# Altium PCB Control Logic.PcbDoc
Units mil, origin at the board's own origin, x right, y up, seen from the top; angles counter-clockwise.
Board outline 10300 x 6600 mil, 2 copper layers (Top Layer, Bottom Layer); 213 components, 274 nets, 987 pads, 0 vias.
Unrouted connection lines stored in the file: 423.
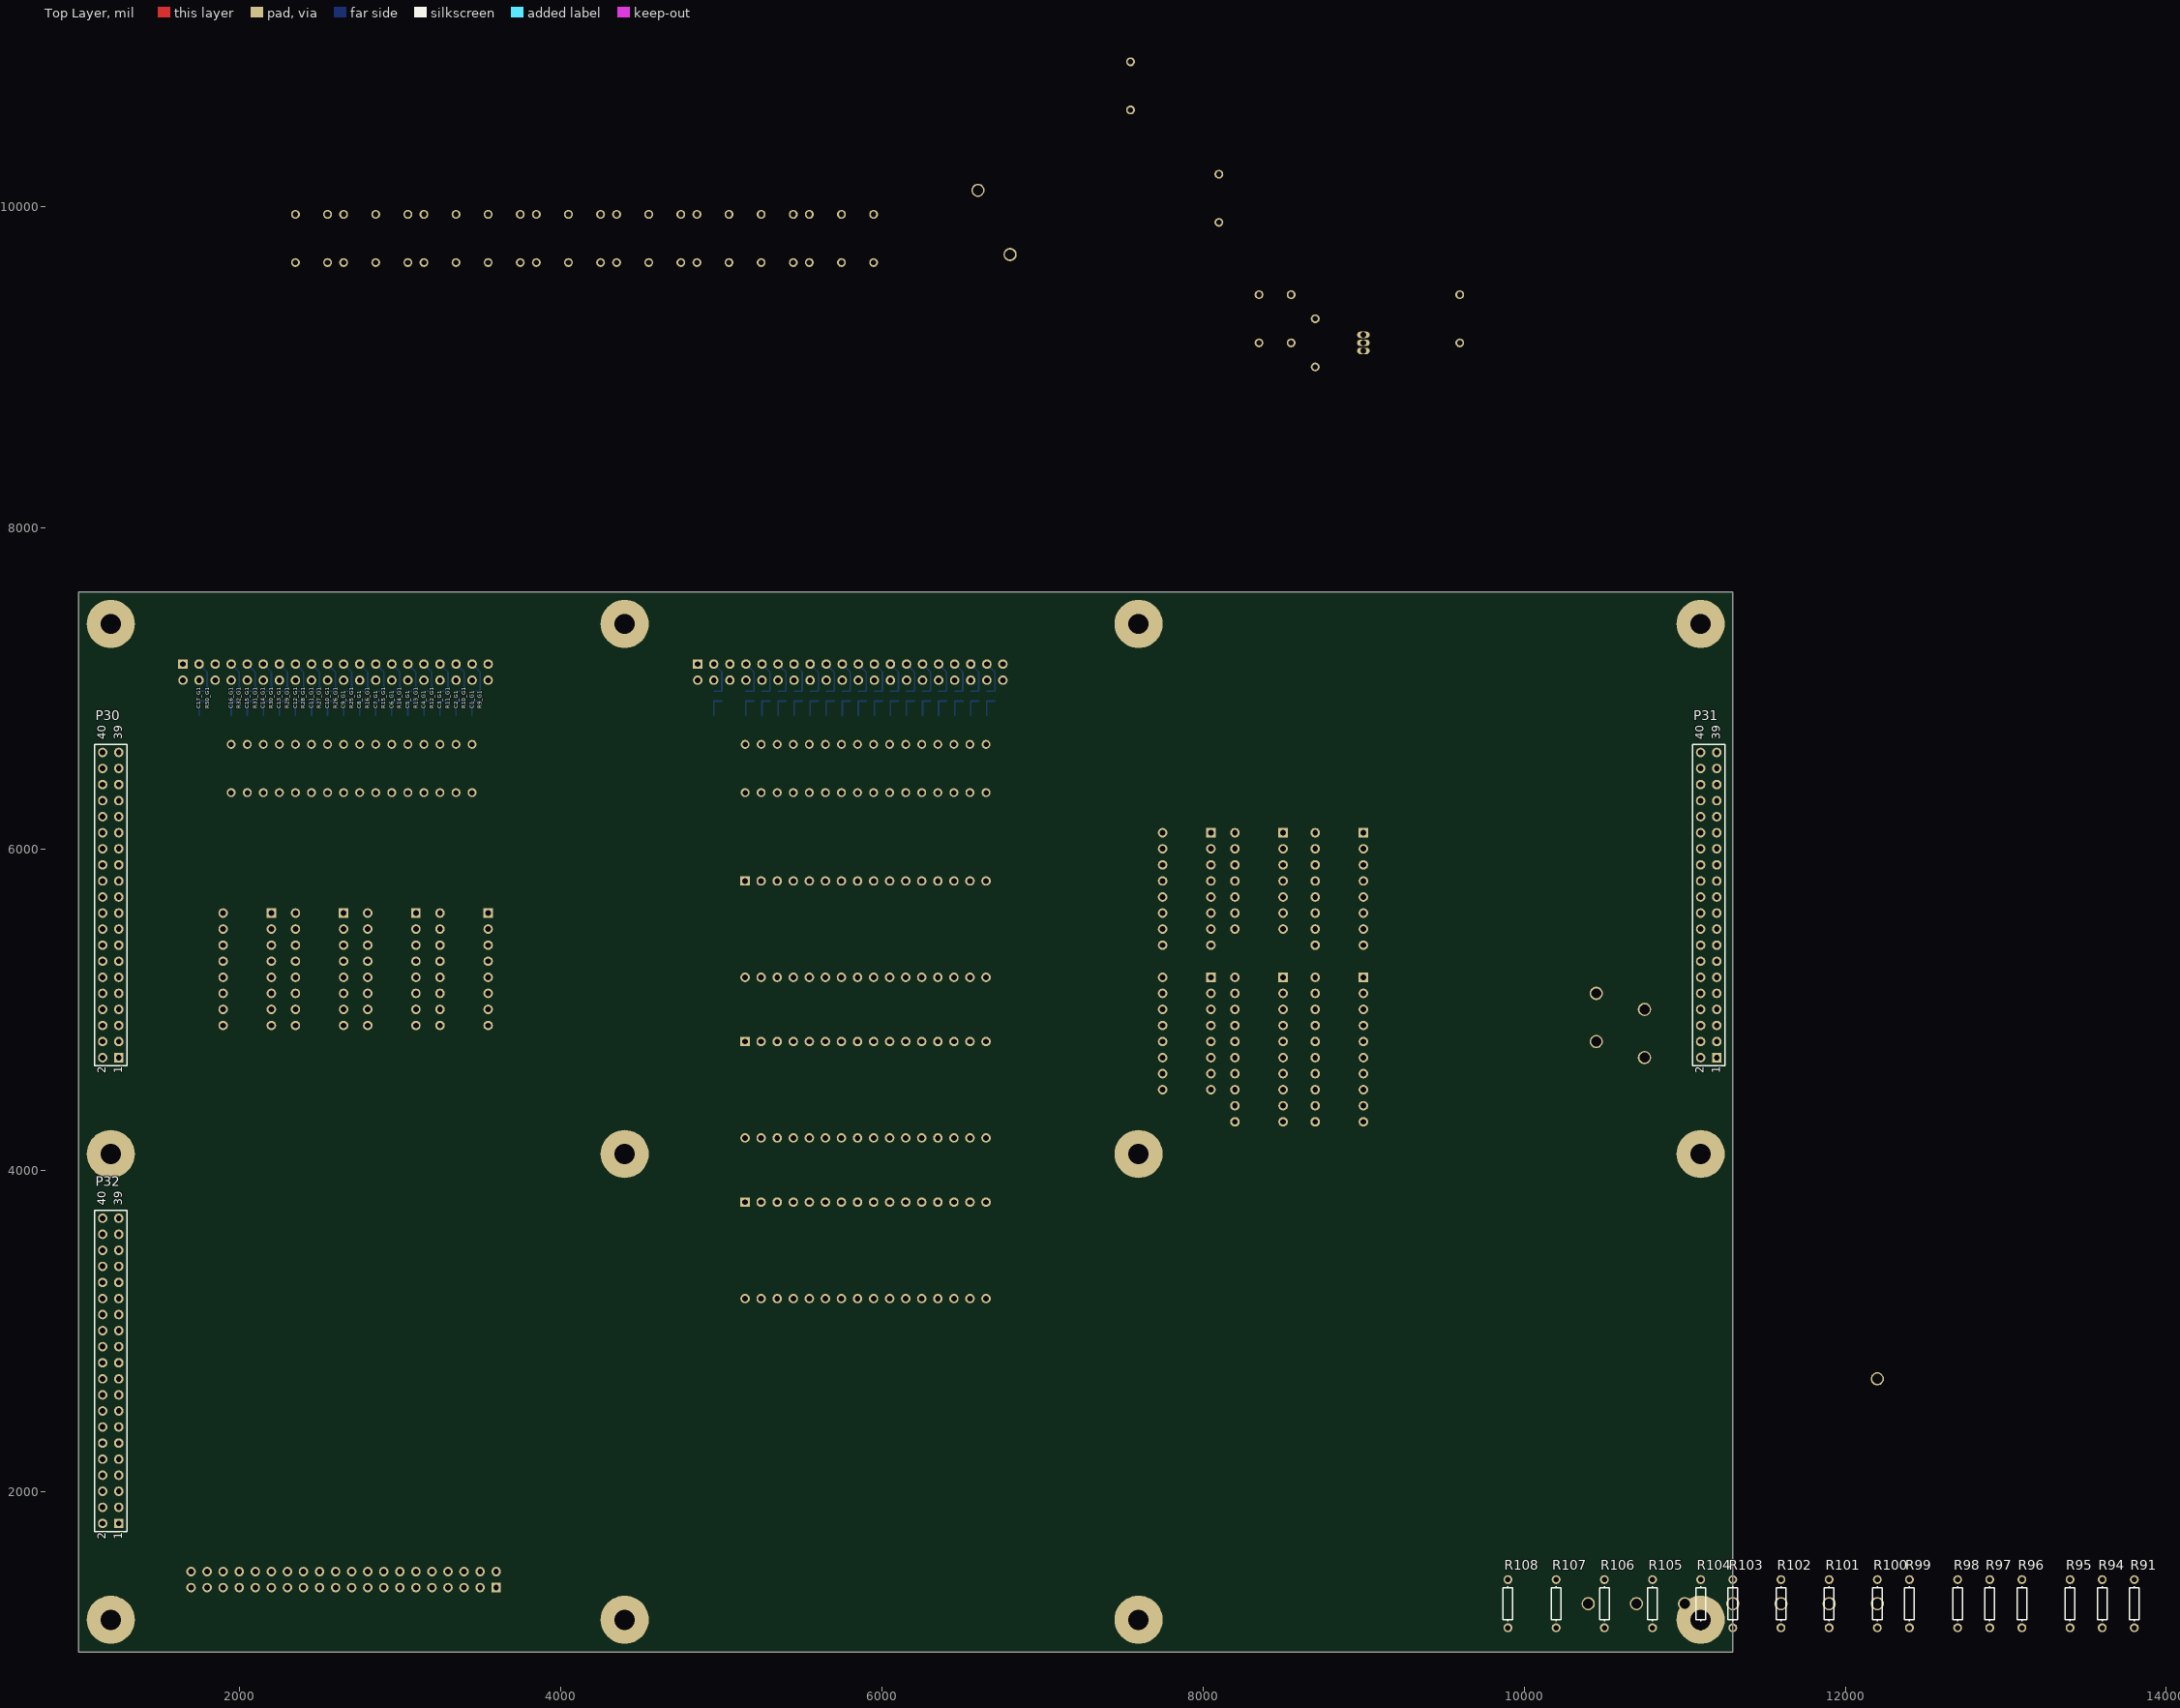
[diagram p0: Top Layer view]
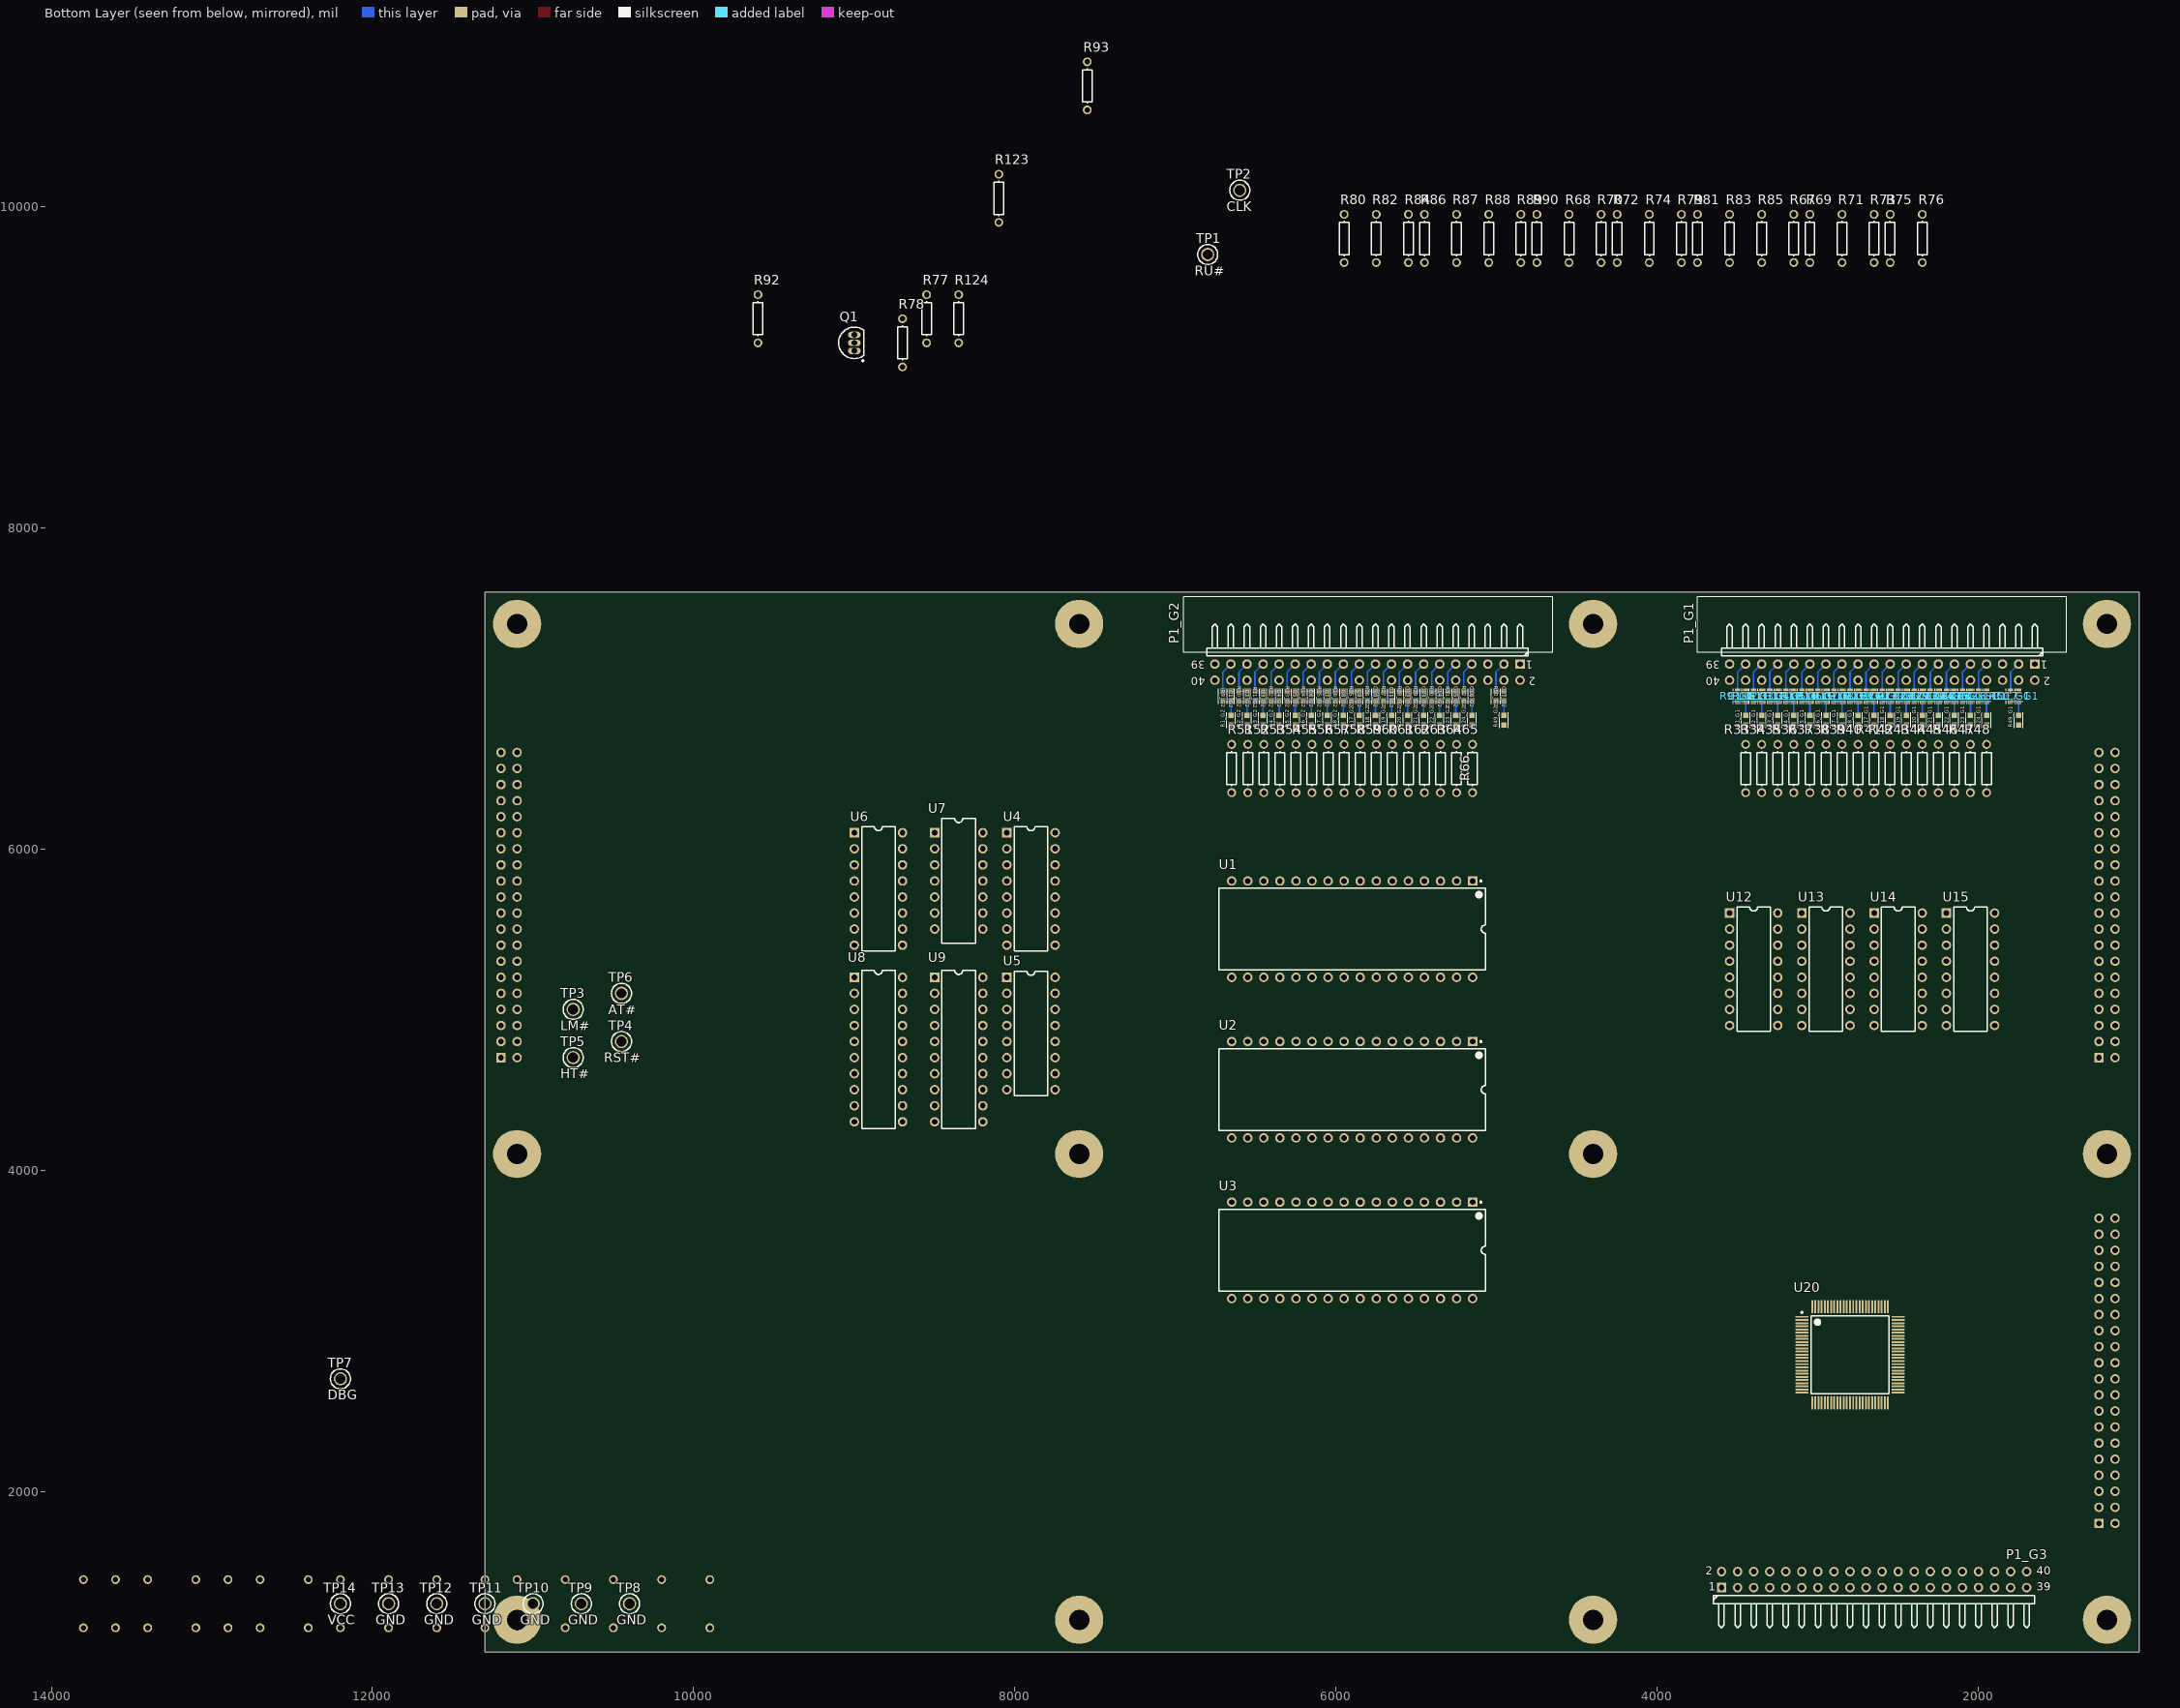
[diagram p1: Bottom Layer view, seen from below]

## Layer stack, top to bottom
Top Solder: solder mask 0.4, Solder Resist, Dk 3.5
Top Layer: signal copper 1.4
Dielectric 1: dielectric 12.6, FR-4, Dk 4.8
Bottom Layer: signal copper 1.4
Bottom Solder: solder mask 0.4, Solder Resist, Dk 3.5

## Board outline
1000,1000 11300,1000 11300,7600 1000,7600

## Design rules (kind name [scope] priority, off if disabled: settings)
Clearance [All] p1: gap=10 ignorepadtopadclearanceinfootprint=FALSE except(0: Arc-Hole Track-Hole SMDPad-Hole THPad-Hole Via-Hole Fill-Hole Poly-Hole Region-Hole Text-Hole)
ComponentClearance [All] p1: gap=10 collisioncheckmode=3 verticalgap=10 showdistances=FALSE donotcheckwithout3dbody=TRUE
PolygonConnect [All] p1: connectstyle=Relief reliefconductorwidth=10 reliefentries=4 polygonreliefangle="90 Angle" airgapwidth=10
RoomDefinition G2 [InComponentClass('G2')] p1: confinementstyle=ConfineIn formatcopy=TRUE lockcomponents=FALSE outline 7050,6700 4550,6700 4550,7600 7050,7600
RoomDefinition G1 [InComponentClass('G1')] p2: confinementstyle=ConfineIn formatcopy=TRUE lockcomponents=FALSE outline 3850,6700 1350,6700 1350,7600 3850,7600
RoutingVias [All] p1: holewidth=28 width=50 viastyle="Through Hole" minholewidth=28 minwidth=50 maxholewidth=28 maxwidth=50
SolderMaskExpansion [All] p1: expansion=4 istentingtop=FALSE
Width [All] p1: maxlimit=10 minlimit=10 preferedwidth=10
29 further rules are at their usual default settings.

## Classes and differential pairs
component class G3: C1_G3 C2_G3 C3_G3 C4_G3 C5_G3 C6_G3 C7_G3 C8_G3 C9_G3 C10_G3 C11_G3 C12_G3 C13_G3 C14_G3 C15_G3 C16_G3 C17_G3 P1_G3 R1_G3 R2_G3 R3_G3 R4_G3 R5_G3 R6_G3 R7_G3 R8_G3 R9_G3 R10_G3 R11_G3 R12_G3 R13_G3 R14_G3 R15_G3 R16_G3 R17_G3 R18_G3 R19_G3 R20_G3 R21_G3 R22_G3 R23_G3 R24_G3 R25_G3 R26_G3 R27_G3 R28_G3 R29_G3 R30_G3 R31_G3 R32_G3 R49_G3 R50_G3
net class ADDR[0..19]: ADDR0 ADDR1 ADDR2 ADDR3 ADDR4 ADDR5 ADDR6 ADDR7 ADDR8 ADDR9 ADDR10 ADDR11 ADDR12 ADDR13 ADDR14 ADDR15 ADDR16 ADDR17 ADDR18 ADDR19
component class CON: P30 P31 P32
net class BUS[0..7]: BUS0 BUS1 BUS2 BUS3 BUS4 BUS5 BUS6 BUS7
component class DBG: U20
net class UC[0..5]: UC0 UC1 UC2 UC3 UC4 UC5
net class OUT[0..3]: OUT0 OUT1 OUT2 OUT3
net class IN[0..3]: IN0 IN1 IN2 IN3
component class G2: C1_G2 C2_G2 C3_G2 C4_G2 C5_G2 C6_G2 C7_G2 C8_G2 C9_G2 C10_G2 C11_G2 C12_G2 C13_G2 C14_G2 C15_G2 C16_G2 C17_G2 P1_G2 R1_G2 R2_G2 R3_G2 R4_G2 R5_G2 R6_G2 R7_G2 R8_G2 R9_G2 R10_G2 R11_G2 R12_G2 R13_G2 R14_G2 R15_G2 R16_G2 R17_G2 R18_G2 R19_G2 R20_G2 R21_G2 R22_G2 R23_G2 R24_G2 R25_G2 R26_G2 R27_G2 R28_G2 R29_G2 R30_G2 R31_G2 R32_G2 R49_G2 R50_G2
net class INST[0..7]: INST0 INST1 INST2 INST3 INST4 INST5 INST6 INST7
net class ALU[0..3]: ALU0 ALU1 ALU2 ALU3
channel class "Logic Port": G1 G2
component class G1: C1_G1 C2_G1 C3_G1 C4_G1 C5_G1 C6_G1 C7_G1 C8_G1 C9_G1 C10_G1 C11_G1 C12_G1 C13_G1 C14_G1 C15_G1 C16_G1 C17_G1 P1_G1 R1_G1 R2_G1 R3_G1 R4_G1 R5_G1 R6_G1 R7_G1 R8_G1 R9_G1 R10_G1 R11_G1 R12_G1 R13_G1 R14_G1 R15_G1 R16_G1 R17_G1 R18_G1 R19_G1 R20_G1 R21_G1 R22_G1 R23_G1 R24_G1 R25_G1 R26_G1 R27_G1 R28_G1 R29_G1 R30_G1 R31_G1 R32_G1 R49_G1 R50_G1
component class DECODE: Q1 R92 R93 R123 R124 U7 U12 U13 U14 U15
component class Top: R33 R34 R35 R36 R37 R38 R39 R40 R41 R42 R43 R44 R45 R46 R47 R48 R51 R52 R53 R54 R55 R56 R57 R58 R59 R60 R61 R62 R63 R64 R65 R66 R91 R94 R95 R96 R97 R98 R99 R100 R101 R102 R103 R104 R105 R106 R107 R108 TP1 TP2 TP3 TP4 TP5 TP6 TP7 TP8 TP9 TP10 TP11 TP12 TP13 TP14
component class CTRL: R67 R68 R69 R70 R71 R72 R73 R74 R75 R76 R77 R78 R79 R80 R81 R82 R83 R84 R85 R86 R87 R88 R89 R90 U1 U2 U3 U4 U5 U6 U8 U9

## Components (designator, comment, footprint, x,y, rotation, side; value= is the part's Value field where it differs from the comment)
C1_G1 "8.2pF" SMD-0603C 3450,6950 r0 bottom (schematic designator C1)
C1_G2 "8.2pF" SMD-0603C 6655.01,6950 r0 bottom (schematic designator C1)
C2_G1 "8.2pF" SMD-0603C 3350,6950 r0 bottom (schematic designator C2)
C2_G2 "8.2pF" SMD-0603C 6555.01,6950 r0 bottom (schematic designator C2)
C3_G1 "8.2pF" SMD-0603C 3250,6950 r0 bottom (schematic designator C3)
C3_G2 "8.2pF" SMD-0603C 6455.01,6950 r0 bottom (schematic designator C3)
C4_G1 "8.2pF" SMD-0603C 3150,6950 r0 bottom (schematic designator C4)
C4_G2 "8.2pF" SMD-0603C 6355.01,6950 r0 bottom (schematic designator C4)
C5_G1 "8.2pF" SMD-0603C 3050,6950 r0 bottom (schematic designator C5)
C5_G2 "8.2pF" SMD-0603C 6255.01,6950 r0 bottom (schematic designator C5)
C6_G1 "8.2pF" SMD-0603C 2950,6950 r0 bottom (schematic designator C6)
C6_G2 "8.2pF" SMD-0603C 6155.01,6950 r0 bottom (schematic designator C6)
C7_G1 "8.2pF" SMD-0603C 2850,6950 r0 bottom (schematic designator C7)
C7_G2 "8.2pF" SMD-0603C 6055.01,6950 r0 bottom (schematic designator C7)
C8_G1 "8.2pF" SMD-0603C 2750,6950 r0 bottom (schematic designator C8)
C8_G2 "8.2pF" SMD-0603C 5955.01,6950 r0 bottom (schematic designator C8)
C9_G1 "8.2pF" SMD-0603C 2650,6950 r0 bottom (schematic designator C9)
C9_G2 "8.2pF" SMD-0603C 5855.01,6950 r0 bottom (schematic designator C9)
C10_G1 "8.2pF" SMD-0603C 2550,6950 r0 bottom (schematic designator C10)
C10_G2 "8.2pF" SMD-0603C 5755.01,6950 r0 bottom (schematic designator C10)
C11_G1 "8.2pF" SMD-0603C 2450,6950 r0 bottom (schematic designator C11)
C11_G2 "8.2pF" SMD-0603C 5655.01,6950 r0 bottom (schematic designator C11)
C12_G1 "8.2pF" SMD-0603C 2350,6950 r0 bottom (schematic designator C12)
C12_G2 "8.2pF" SMD-0603C 5555.01,6950 r0 bottom (schematic designator C12)
C13_G1 "8.2pF" SMD-0603C 2250,6950 r0 bottom (schematic designator C13)
C13_G2 "8.2pF" SMD-0603C 5455.01,6950 r0 bottom (schematic designator C13)
C14_G1 "8.2pF" SMD-0603C 2150,6950 r0 bottom (schematic designator C14)
C14_G2 "8.2pF" SMD-0603C 5355.01,6950 r0 bottom (schematic designator C14)
C15_G1 "8.2pF" SMD-0603C 2050,6950 r0 bottom (schematic designator C15)
C15_G2 "8.2pF" SMD-0603C 5255.01,6950 r0 bottom (schematic designator C15)
C16_G1 "8.2pF" SMD-0603C 1950,6950 r0 bottom (schematic designator C16)
C16_G2 "8.2pF" SMD-0603C 5155.01,6950 r0 bottom (schematic designator C16)
C17_G1 "8.2pF" SMD-0603C 1750,6950 r0 bottom (schematic designator C17)
C17_G2 "8.2pF" SMD-0603C 4955.01,6950 r0 bottom (schematic designator C17)
P1_G1 "Header 20X2H" HDR2X20H 1650,7150 r0 bottom (schematic designator P1)
P1_G2 "Header 20X2H" HDR2X20H 4855.01,7150 r0 bottom (schematic designator P1)
P1_G3 "Header 20X2H" HDR2X20H 3600,1400 r180 bottom (schematic designator P1)
P30 "Header 20X2" HDR2X20 1250,4700 r90 top
P31 "Header 20X2" HDR2X20 11200,4700 r90 top
P32 "Header 20X2" HDR2X20 1250,1800 r90 top
Q1 "2N3904" TO-92A 9000,9150 r180 bottom
R1_G1 "249" SMD-0603-RES 3450,6800 r0 bottom (schematic designator R1)
R1_G2 "249" SMD-0603-RES 6655.01,6800 r0 bottom (schematic designator R1)
R2_G1 "249" SMD-0603-RES 3350,6800 r0 bottom (schematic designator R2)
R2_G2 "249" SMD-0603-RES 6555.01,6800 r0 bottom (schematic designator R2)
R3_G1 "249" SMD-0603-RES 3250,6800 r0 bottom (schematic designator R3)
R3_G2 "249" SMD-0603-RES 6455.01,6800 r0 bottom (schematic designator R3)
R4_G1 "249" SMD-0603-RES 3150,6800 r0 bottom (schematic designator R4)
R4_G2 "249" SMD-0603-RES 6355.01,6800 r0 bottom (schematic designator R4)
R5_G1 "249" SMD-0603-RES 3050,6800 r0 bottom (schematic designator R5)
R5_G2 "249" SMD-0603-RES 6255.01,6800 r0 bottom (schematic designator R5)
R6_G1 "249" SMD-0603-RES 2950,6800 r0 bottom (schematic designator R6)
R6_G2 "249" SMD-0603-RES 6155.01,6800 r0 bottom (schematic designator R6)
R7_G1 "249" SMD-0603-RES 2850,6800 r0 bottom (schematic designator R7)
R7_G2 "249" SMD-0603-RES 6055.01,6800 r0 bottom (schematic designator R7)
R8_G1 "249" SMD-0603-RES 2750,6800 r0 bottom (schematic designator R8)
R8_G2 "249" SMD-0603-RES 5955.01,6800 r0 bottom (schematic designator R8)
R9_G1 "" SMD-0603-RES 3500,6950 r0 bottom value=90.9k (schematic designator R9)
R9_G2 "" SMD-0603-RES 6705.01,6950 r0 bottom value=90.9k (schematic designator R9)
R10_G1 "90.9k" SMD-0603-RES 3400,6950 r0 bottom (schematic designator R10)
R10_G2 "90.9k" SMD-0603-RES 6605.01,6950 r0 bottom (schematic designator R10)
R11_G1 "90.9k" SMD-0603-RES 3300,6950 r0 bottom (schematic designator R11)
R11_G2 "90.9k" SMD-0603-RES 6505.01,6950 r0 bottom (schematic designator R11)
R12_G1 "90.9k" SMD-0603-RES 3200,6950 r0 bottom (schematic designator R12)
R12_G2 "90.9k" SMD-0603-RES 6405.01,6950 r0 bottom (schematic designator R12)
R13_G1 "90.9k" SMD-0603-RES 3100,6950 r0 bottom (schematic designator R13)
R13_G2 "90.9k" SMD-0603-RES 6305.01,6950 r0 bottom (schematic designator R13)
R14_G1 "90.9k" SMD-0603-RES 3000,6950 r0 bottom (schematic designator R14)
R14_G2 "90.9k" SMD-0603-RES 6205.01,6950 r0 bottom (schematic designator R14)
R15_G1 "90.9k" SMD-0603-RES 2900,6950 r0 bottom (schematic designator R15)
R15_G2 "90.9k" SMD-0603-RES 6105.01,6950 r0 bottom (schematic designator R15)
R16_G1 "90.9k" SMD-0603-RES 2800,6950 r0 bottom (schematic designator R16)
R16_G2 "90.9k" SMD-0603-RES 6005.01,6950 r0 bottom (schematic designator R16)
R17_G1 "249" SMD-0603-RES 2650,6800 r0 bottom (schematic designator R17)
R17_G2 "249" SMD-0603-RES 5855.01,6800 r0 bottom (schematic designator R17)
R18_G1 "249" SMD-0603-RES 2550,6800 r0 bottom (schematic designator R18)
R18_G2 "249" SMD-0603-RES 5755.01,6800 r0 bottom (schematic designator R18)
R19_G1 "249" SMD-0603-RES 2450,6800 r0 bottom (schematic designator R19)
R19_G2 "249" SMD-0603-RES 5655.01,6800 r0 bottom (schematic designator R19)
R20_G1 "249" SMD-0603-RES 2350,6800 r0 bottom (schematic designator R20)
R20_G2 "249" SMD-0603-RES 5555.01,6800 r0 bottom (schematic designator R20)
R21_G1 "249" SMD-0603-RES 2250,6800 r0 bottom (schematic designator R21)
R21_G2 "249" SMD-0603-RES 5455.01,6800 r0 bottom (schematic designator R21)
R22_G1 "249" SMD-0603-RES 2150,6800 r0 bottom (schematic designator R22)
R22_G2 "249" SMD-0603-RES 5355.01,6800 r0 bottom (schematic designator R22)
R23_G1 "249" SMD-0603-RES 2050,6800 r0 bottom (schematic designator R23)
R23_G2 "249" SMD-0603-RES 5255.01,6800 r0 bottom (schematic designator R23)
R24_G1 "249" SMD-0603-RES 1950,6800 r0 bottom (schematic designator R24)
R24_G2 "249" SMD-0603-RES 5155.01,6800 r0 bottom (schematic designator R24)
R25_G1 "90.9k" SMD-0603-RES 2700,6950 r0 bottom (schematic designator R25)
R25_G2 "90.9k" SMD-0603-RES 5905.01,6950 r0 bottom (schematic designator R25)
R26_G1 "90.9k" SMD-0603-RES 2600,6950 r0 bottom (schematic designator R26)
R26_G2 "90.9k" SMD-0603-RES 5805.01,6950 r0 bottom (schematic designator R26)
R27_G1 "90.9k" SMD-0603-RES 2500,6950 r0 bottom (schematic designator R27)
R27_G2 "90.9k" SMD-0603-RES 5705.01,6950 r0 bottom (schematic designator R27)
R28_G1 "90.9k" SMD-0603-RES 2400,6950 r0 bottom (schematic designator R28)
R28_G2 "90.9k" SMD-0603-RES 5605.01,6950 r0 bottom (schematic designator R28)
R29_G1 "90.9k" SMD-0603-RES 2300,6950 r0 bottom (schematic designator R29)
R29_G2 "90.9k" SMD-0603-RES 5505.01,6950 r0 bottom (schematic designator R29)
R30_G1 "90.9k" SMD-0603-RES 2200,6950 r0 bottom (schematic designator R30)
R30_G2 "90.9k" SMD-0603-RES 5405.01,6950 r0 bottom (schematic designator R30)
R31_G1 "90.9k" SMD-0603-RES 2100,6950 r0 bottom (schematic designator R31)
R31_G2 "90.9k" SMD-0603-RES 5305.01,6950 r0 bottom (schematic designator R31)
R32_G1 "90.9k" SMD-0603-RES 2000,6950 r0 bottom (schematic designator R32)
R32_G2 "90.9k" SMD-0603-RES 5205.01,6950 r0 bottom (schematic designator R32)
R33 "Res1" AXIAL-0.3 3450,6500 r90 bottom value=0
R34 "Res1" AXIAL-0.3 3350,6500 r90 bottom value=0
R35 "Res1" AXIAL-0.3 3250,6500 r90 bottom value=0
R36 "Res1" AXIAL-0.3 3150,6500 r90 bottom value=0
R37 "Res1" AXIAL-0.3 3050,6500 r90 bottom value=0
R38 "Res1" AXIAL-0.3 2950,6500 r90 bottom value=0
R39 "Res1" AXIAL-0.3 2850,6500 r90 bottom value=0
R40 "Res1" AXIAL-0.3 2750,6500 r90 bottom value=0
R41 "Res1" AXIAL-0.3 2650,6500 r90 bottom value=0
R42 "Res1" AXIAL-0.3 2550,6500 r90 bottom value=0
R43 "Res1" AXIAL-0.3 2450,6500 r90 bottom value=0
R44 "Res1" AXIAL-0.3 2350,6500 r90 bottom value=0
R45 "Res1" AXIAL-0.3 2250,6500 r90 bottom value=0
R46 "Res1" AXIAL-0.3 2150,6500 r90 bottom value=0
R47 "Res1" AXIAL-0.3 2050,6500 r90 bottom value=0
R48 "Res1" AXIAL-0.3 1950,6500 r90 bottom value=0
R49_G1 "249" SMD-0603-RES 1750,6800 r0 bottom (schematic designator R49)
R49_G2 "249" SMD-0603-RES 4955.01,6800 r0 bottom (schematic designator R49)
R50_G1 "90.9k" SMD-0603-RES 1800,6950 r0 bottom (schematic designator R50)
R50_G2 "90.9k" SMD-0603-RES 5005.01,6950 r0 bottom (schematic designator R50)
R51 "Res1" AXIAL-0.3 6650,6500 r90 bottom value=0
R52 "Res1" AXIAL-0.3 6550,6500 r90 bottom value=0
R53 "Res1" AXIAL-0.3 6450,6500 r90 bottom value=0
R54 "Res1" AXIAL-0.3 6350,6500 r90 bottom value=0
R55 "Res1" AXIAL-0.3 6250,6500 r90 bottom value=0
R56 "Res1" AXIAL-0.3 6150,6500 r90 bottom value=0
R57 "Res1" AXIAL-0.3 6050,6500 r90 bottom value=0
R58 "Res1" AXIAL-0.3 5950,6500 r90 bottom value=0
R59 "Res1" AXIAL-0.3 5850,6500 r90 bottom value=0
R60 "Res1" AXIAL-0.3 5750,6500 r90 bottom value=0
R61 "Res1" AXIAL-0.3 5650,6500 r90 bottom value=0
R62 "Res1" AXIAL-0.3 5550,6500 r90 bottom value=0